# Altium PCB VOU_SOM_CV_V0.0.1.PcbDoc (part 3 of 3)
Units mil, origin at the board's own origin, x right, y up, seen from the top; angles counter-clockwise.
Board outline 6000 x 4000 mil, 2 copper layers (Top Layer, Bottom Layer); 476 components, 641 nets, 2958 pads, 38 vias.
Unrouted connection lines stored in the file: 2178.
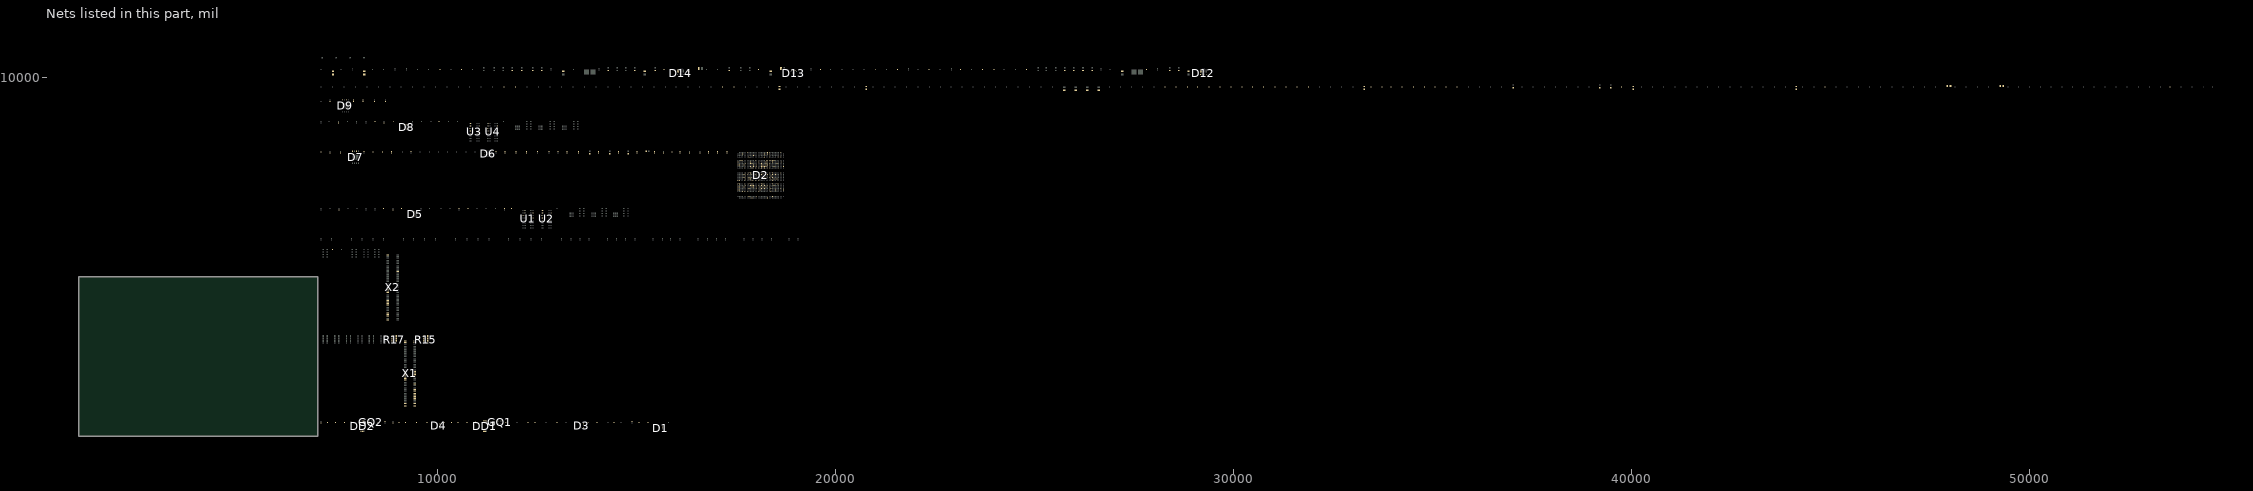
[diagram p3: the nets of this part, all layers, seen from the top]

## Via types
v1: diameter 19.68, hole 7.87, Top Layer to Bottom Layer, 38 vias

## Nets (pads, with @x,y where several pads share a name; then routed paths per layer and width w, separated by ;. In a path a pad name is that pad's centre, name@x,y a point inside that pad or via, vN(x,y) a via of type N, cw(c..) or ccw(c..) an arc to the next point about the centre after c; other vN are vias at no path point) (continued)
NetD1_3: D1.3 D3.2 R2.2 R12.1 R143.1
NetD1_4: D1.4 R34.1
NetD1_6: D1.6 R19.1
NetD2_A28: D2.A28 R204.2
NetD2_AA1: D2.AA1 D2.AA2 R138.2
NetD2_AC1: D2.AC1 D2.AC2 R28.2
NetD2_AE1: D2.AE1 D2.AE2 R62.2
NetD2_AG17: D2.AG17 R57.1
NetD2_D27: D2.D27 R69.2
NetD2_F3: D2.F3 R178.1
NetD2_F4: D2.F4 R120.1
NetD2_F23: D2.F23 R12.2
NetD2_F24: D2.F24 R77.2
NetD2_G1: D2.G1 R159.1
NetD2_J1: D2.J1 D2.J2 R33.2
NetD2_J5: D2.J5 R181.1
NetD2_P8: D2.P8 D2.P9 R32.2
NetD2_W1: D2.W1 D2.W2 R30.2
NetD3_4: D3.4 R146.2
NetD4_2: D4.2 R18.2 R151.1
NetD4_4: D4.4 R147.2
NetD5_7: D5.7 R56.2
NetD5_9: D5.9 R55.2
NetD6_10: D6.10 R183.2
NetD7_6: D7.6 R191.1
NetD8_7: D8.7 R74.2
NetD8_9: D8.9 R73.2
NetD9_6: D9.6 R194.1
NetD12_2: D12.2 R128.1 R142.2
NetD12_5: D12.5 R132.1
NetD12_7: D12.7 R129.2
NetD12_15: D12.15 R122.2 R124.2
NetD13_5: D13.5 D13.6 L11.1
NetD13_7: D13.7 L8.1
NetD13_12: D13.12 R126.1 R127.2
NetD13_16: D13.16 R155.1 R157.2
NetD14_2: D14.2 R160.1 R167.2
NetD14_5: D14.5 R162.1
NetD14_7: D14.7 R145.2
NetDD1_1: DD1.1 GQ1.3
NetDD1_3: DD1.3 R4.1
NetDD1_5: DD1.5 R6.1
NetDD1_7: DD1.7 R7.1
NetDD1_8: DD1.8 R5.1
NetDD2_1: DD2.1 GQ2.3
NetDD2_3: DD2.3 R9.1
NetDD2_5: DD2.5 R11.1
NetDD2_8: DD2.8 R10.1
NetGQ1_1: GQ1.1 R3.2
NetGQ2_1: GQ2.1 R8.2
NetHL1_1: HL1.1 R50.1
NetHL2_1: HL2.1 R52.1
NetHL3_1: HL3.1 R54.1
NetHL4_1: HL4.1 R119.1
NetR7_2: R7.2 X1.103
NetR11_2: R11.2 X1.99
NetR13_1: R13.1 R147.1 X1.50
NetR27_2: R27.2 X2.81
NetR31_1: R31.1 X2.82
NetR47_1: R47.1 U1.L8
NetR48_1: R48.1 U2.L8
NetR68_1: R68.1 U3.L8
NetR70_1: R70.1 U4.L8
NetR131_1: R131.1 R134.2 R135.1 R136.1 R139.2 R141.1
NetR144_1: R144.1 R148.1 R149.2 R152.2 R153.2
NetX2_86: X2.86 X2.90 X2.94 X2.98 X2.102 X2.106 X2.110 X2.114 X2.118 X2.122 X2.126 X2.130 X2.134 X2.138 X2.142 X2.146 X2.150 X2.154 X2.158 X2.162 X2.166
OSC_50_B3B: C9.2 D2.AF14 R43.1 R44.1
OSC_50_B4B: C10.2 D2.AA16 R45.1 R46.1
OSC_50_B5A5B: C21.2 D2.AA26 R60.1 R61.1
PR_DONE: D2.AF5 R37.2
PR_ERR: D2.AF4 R35.2
PR_RDY: D2.AG8 R39.2
RGMI_MDC: D2.B21 R15.16
RGMI_MDC_R: R15.1 X1.137
RGMI_MDIO: D2.E21 R15.15
RGMI_MDIO_R: R15.2 X1.135
RGMI_RX_CLK: D2.G20 R17.9
RGMI_RX_CLK_R: R17.8 X1.139
RGMI_RX_CTL: D2.K17 R17.10
RGMI_RX_CTL_R: R17.7 X1.141
RGMI_RXD0: D2.A21 R17.11
RGMI_RXD0_R: R17.6 X1.143
RGMI_RXD1: D2.B20 R17.12
RGMI_RXD1_R: R17.5 X1.145
RGMI_RXD2: D2.B18 R17.13
RGMI_RXD2_R: R17.4 X1.147
RGMI_RXD3: D2.D21 R17.14
RGMI_RXD3_R: R17.3 X1.149
RGMI_TX_CLK: D2.H19 R15.9
RGMI_TX_CLK_R: R15.8 X1.123
RGMI_TX_CTL: D2.A20 R15.10
RGMI_TX_CTL_R: R15.7 X1.125
RGMI_TXD0: D2.F20 R15.11
RGMI_TXD0_R: R15.6 X1.127
RGMI_TXD1: D2.J19 R15.12
RGMI_TXD1_R: R15.5 X1.129
RGMI_TXD2: D2.F21 R15.13
RGMI_TXD2_R: R15.4 X1.131
RGMI_TXD3: D2.F19 R15.14
RGMI_TXD3_R: R15.3 X1.133
TCK: D2.AC5 X1.100
TDI: D2.U8 R177.2 X1.104
TDO: D2.AB9 X1.102
TMS: D2.V9 R176.2 X1.98
VCC1P1: C94.1 C99.1 C100.1 C113.2 C114.2 C115.2 C116.2 C117.2 C118.2 C119.2 C120.2 C127.2 C128.2 C129.2 C130.2 C131.2 C132.2 C133.2 C134.2 C146.2 C147.2 C148.2 C149.2 C150.2 C151.2 C152.2 C153.2 C168.1 C169.1 C170.1 C171.1 C172.1 C173.1 C174.1 C180.1 C181.1 C182.1 C183.1 C184.1 C185.1 C186.1 C187.1 C189.1 C190.1 C191.1 C192.1 C193.1 C199.2 C200.2 C201.2 C202.1 C203.1 C204.1 C205.1 C210.2 C211.2 C212.2 C213.2 C214.2 C215.2 C216.2 D2.L16 D2.L18 D2.L20 D2.M9 D2.M11 D2.M13 D2.M15 D2.N10 D2.N12 D2.N14 D2.N20 D2.P11 D2.P13 D2.P15 D2.P17 D2.P19 D2.R10 D2.R12 D2.R14 D2.R16 D2.T11 D2.T13 D2.T17 D2.T19 D2.U10 D2.U12 D2.U14 D2.U16 D2.U18 D2.U21 D2.V11 D2.V13 D2.V15 D2.W10 D2.W12 D2.W14 D2.Y9 D2.Y11 D2.Y13 L2.2 R156.2 R158.2
VCC1P5_DDR3: C19.1 C50.1 C107.2 C108.2 C109.2 C110.2 C111.2 C175.1 C194.2 C195.2 C196.2 C197.2 C198.2 C220.2 C221.2 C222.2 C223.2 C224.2 C225.2 C227.1 C228.1 C229.2 C230.2 C231.2 C236.2 C237.2 C238.2 C239.2 C240.2 C241.2 C246.1 C247.1 C248.2 C249.2 C250.2 D2.AA17 D2.AB14 D2.AC21 D2.AD13 D2.AD18 D2.AE15 D2.AE25 D2.AF22 D2.AG19 D2.AH16 D2.AH26 D2.AJ8 D2.AJ13 D2.AJ23 D2.AK10 D2.AK20 D2.D28 D2.G29 D2.H26 D2.K24 D2.K30 D2.L27 D2.M24 D2.N21 D2.P23 D2.P28 D2.R25 D2.T22 D2.U19 D2.V26 D5.2 D8.2 R49.1 R58.1 R71.1 R75.1 R154.2 U1.A1 U1.A8 U1.B2 U1.C1 U1.C9 U1.D2 U1.D9 U1.E9 U1.F1 U1.G7 U1.H2 U1.H9 U1.K2 U1.K8 U1.N1 U1.N9 U1.R1 U1.R9 U2.A1 U2.A8 U2.B2 U2.C1 U2.C9 U2.D2 U2.D9 U2.E9 U2.F1 U2.G7 U2.H2 U2.H9 U2.K2 U2.K8 U2.N1 U2.N9 U2.R1 U2.R9 U3.A1 U3.A8 U3.B2 U3.C1 U3.C9 U3.D2 U3.D9 U3.E9 U3.F1 U3.G7 U3.H2 U3.H9 U3.K2 U3.K8 U3.N1 U3.N9 U3.R1 U3.R9 U4.A1 U4.A8 U4.B2 U4.C1 U4.C9 U4.D2 U4.D9 U4.E9 U4.F1 U4.G7 U4.H2 U4.H9 U4.K2 U4.K8 U4.N1 U4.N9 U4.R1 U4.R9
VCC2P5: C34.2 C87.1 C112.1 C121.2 C122.2 C135.2 C136.2 C137.1 C142.2 C143.2 C144.2 C145.2 C154.1 C164.2 C165.2 C166.2 C206.2 C207.2 C259.2 C260.2 C261.2 C262.2 C263.2 C264.2 C265.2 C266.2 D2.A7 D2.AA10 D2.AA27 D2.AB18 D2.AB20 D2.AB24 D2.AC10 D2.AC11 D2.AC13 D2.AC15 D2.AC17 D2.AC19 D2.AD8 D2.AD16 D2.AD28 D2.AE21 D2.AE30 D2.AF7 D2.AG4 D2.AG29 D2.B4 D2.C11 D2.D8 D2.E5 D2.F12 D2.G9 D2.G14 D2.H6 D2.J13 D2.K11 D2.K13 D2.L10 D2.L12 D2.L14 D2.M21 D2.N22 D2.P21 D2.R20 D2.R23 D2.U23 D2.V22 D2.V24 D2.W23 D6.2 L1.2 L3.2 L4.2 L5.1 L13.2 R35.1 R37.1 R38.1 R39.1 R43.2 R45.2 R50.2 R51.1 R52.2 R54.2 R60.2 R118.1 R119.2 R120.2 R123.2 R176.1 R177.1 R178.2 R179.2 R181.2 R183.1 R184.2
VCC2P5_IO: R38.2 X1.87 X1.88 X1.89 X1.90 X1.91 X1.92 X1.93 X1.94 X2.53 X2.54 X2.63 X2.64 X2.73 X2.74
VCC3P3: C1.1 C2.2 C3.2 C4.2 C5.1 C11.2 C12.2 C16.1 C35.2 C42.2 C47.1 C52.2 C79.1 C80.1 C88.1 C208.2 C209.2 C217.2 C218.2 C219.2 C226.2 C251.2 C252.2 C253.2 C254.2 C255.2 C256.2 C257.2 C258.2 C268.1 D1.5 D2.AA23 D2.AB10 D2.D18 D2.E15 D2.E20 D2.F22 D2.G19 D2.H16 D2.H21 D2.J11 D2.J17 D2.K16 D2.K18 D2.K19 D3.3 D4.3 D5.10 D6.19 D7.8 D8.10 D9.8 D13.2 D13.3 D13.9 D13.10 DD1.2 DD1.6 DD2.2 DD2.6 GQ1.4 GQ2.4 L6.1 R1.2 R2.1 R3.1 R8.1 R13.2 R18.1 R36.1 R55.1 R56.1 R63.1 R73.1 R74.1 R77.1 R121.2 R125.2 R131.2 R148.2 R174.1 R175.1 R182.2 R192.1 R193.1 R204.1
VCC3P3_IO: R36.2 X1.77 X1.78 X1.79 X1.80 X1.81 X1.82 X1.83 X1.84 X2.2 X2.43 X2.85 X2.168
VCC_BAT: C188.1 D2.H9 X1.111
VCCA_FPLL_2P5: C155.2 C156.2 C157.2 C158.2 C159.2 C160.2 C161.2 C162.1 C163.1 D2.AA8 D2.K9 D2.N7 D2.R7 D2.V8 D2.Y22 L13.1
VCCAUX_2P5: C138.2 C139.2 C140.2 C141.2 D2.AB11 D2.AB16 D2.AD22 D2.H10 D2.J16 L3.1
VCCAUX_SH_2P5: C176.2 C177.2 C178.2 C179.2 D2.J21 L4.1
VCCH_GXBL_2P5: C123.2 C124.2 C125.2 C126.2 D2.AB6 D2.P6 D2.V6 L1.1
VCCL_GXBL_1P1: C70.2 C103.2 C105.2 C106.2 D2.AA5 D2.L5 D2.M6 D2.N5 D2.R5 D2.T6 D2.U5 D2.W5 D2.Y6 L2.1
VCCPLL_HPS_2P5: C232.2 C233.2 C234.2 C235.2 D2.L21 L5.2
VCCRSTCLK_HPS: C242.2 C243.2 C244.2 C245.2 D2.G23 D2.J20 L6.2
VIN: C68.1 C69.1 C75.1 C76.1 C89.1 C90.1 C95.1 C96.1 D12.13 D14.13 R122.1 X1.1 X1.2 X1.3 X1.4 X1.5 X1.6 X1.7 X1.161 X1.162 X1.163 X1.164 X1.165 X1.166 X1.167 X1.168
pads on no net: C229.1 C248.1 D2.AA7 D2.AA19 D2.AA20 D2.AA21 D2.AA30 D2.AB17 D2.AB21 D2.AB30 D2.AC12 D2.AC14 D2.AC18 D2.AC22 D2.AC23 D2.AC25 D2.AD12 D2.AD15 D2.AD17 D2.AD20 D2.AD21 D2.AD24 D2.AE7 D2.AE24 D2.AE28 D2.AF9 D2.AF25 D2.AF26 D2.AG2 D2.AG5 D2.AG10 D2.AG13 D2.AG26 D2.AH3 D2.AH5 D2.AH9 D2.AH19 D2.AH22 D2.AH25 D2.AH27 D2.AJ4 D2.AJ5 D2.AJ19 D2.AJ25 D2.AJ26 D2.AK2 D2.AK3 D2.AK4 D2.AK6 D2.AK16 D2.AK28 D2.AK29 D2.E26 D2.F1 D2.G2 D2.G25 D2.H3 D2.H4 D2.H29 D2.J15 D2.J26 D2.K3 D2.K4 D2.K21 D2.L30 D2.M3 D2.M4 D2.M22 D2.M25 D2.N23 D2.N30 D2.P3 D2.P4 D2.P22 D2.P29 D2.R24 D2.T3 D2.T4 D2.T21 D2.T23 D2.T24 D2.T25 D2.T30 D2.U20 D2.U25 D2.U27 D2.U28 D2.V18 D2.V20 D2.V23 D2.V25 D2.V27 D2.V28 D2.V29 D2.W19 D2.W24 D2.W25 D2.W26 D2.W27 D2.Y18 D2.Y19 D2.Y23 D2.Y24 D2.Y28 D2.Y29 D6.21 D7.9 D9.9 D12.9 D14.9 DD2.7 R24.1 R24.2 R24.15 R24.16 RP_BL.0 RP_BR.0 RP_LT.0 RP_RT.0 U1.J1 U1.J9 U1.L1 U1.L9 U1.M7 U2.J1 U2.J9 U2.L1 U2.L9 U2.M7 U3.J1 U3.J9 U3.L1 U3.L9 U3.M7 U4.J1 U4.J9 U4.L1 U4.L9 U4.M7
copper on no net:
  other v1: 7895.94,7965.63 7935.31,7965.63 7974.69,7965.63 8014.06,7965.63 7895.94,8005 7935.31,8005 7974.69,8005 8014.06,8005 7895.94,8044.37 7935.31,8044.37 7974.69,8044.37 8014.06,8044.37 11246.69,8073.35 11290,8073.35 11333.31,8073.35 11246.69,8116.65 11290,8116.65 11333.31,8116.65 7635.94,9260.63 7675.31,9260.63 7714.69,9260.63 7754.06,9260.63 7635.94,9300 7675.31,9300 7714.69,9300 7754.06,9300 7635.94,9339.37 7675.31,9339.37 7714.69,9339.37 7754.06,9339.37

## Text inside footprints (layer, text, board x,y; h text height)
X1: Top Overlay "167" at 9472.56,1718.7 h23.62; Top Overlay "2" at 9146.77,3405.71 h23.62; Top Overlay "168" at 9114.49,1716.54 h23.62
X2: Top Overlay "167" at 9042.56,3878.7 h23.62; Top Overlay "2" at 8716.77,5565.71 h23.62; Top Overlay "168" at 8684.49,3876.54 h23.62